# KiCad board CRMHJN_capable_carrier.kicad_pcb (continued)
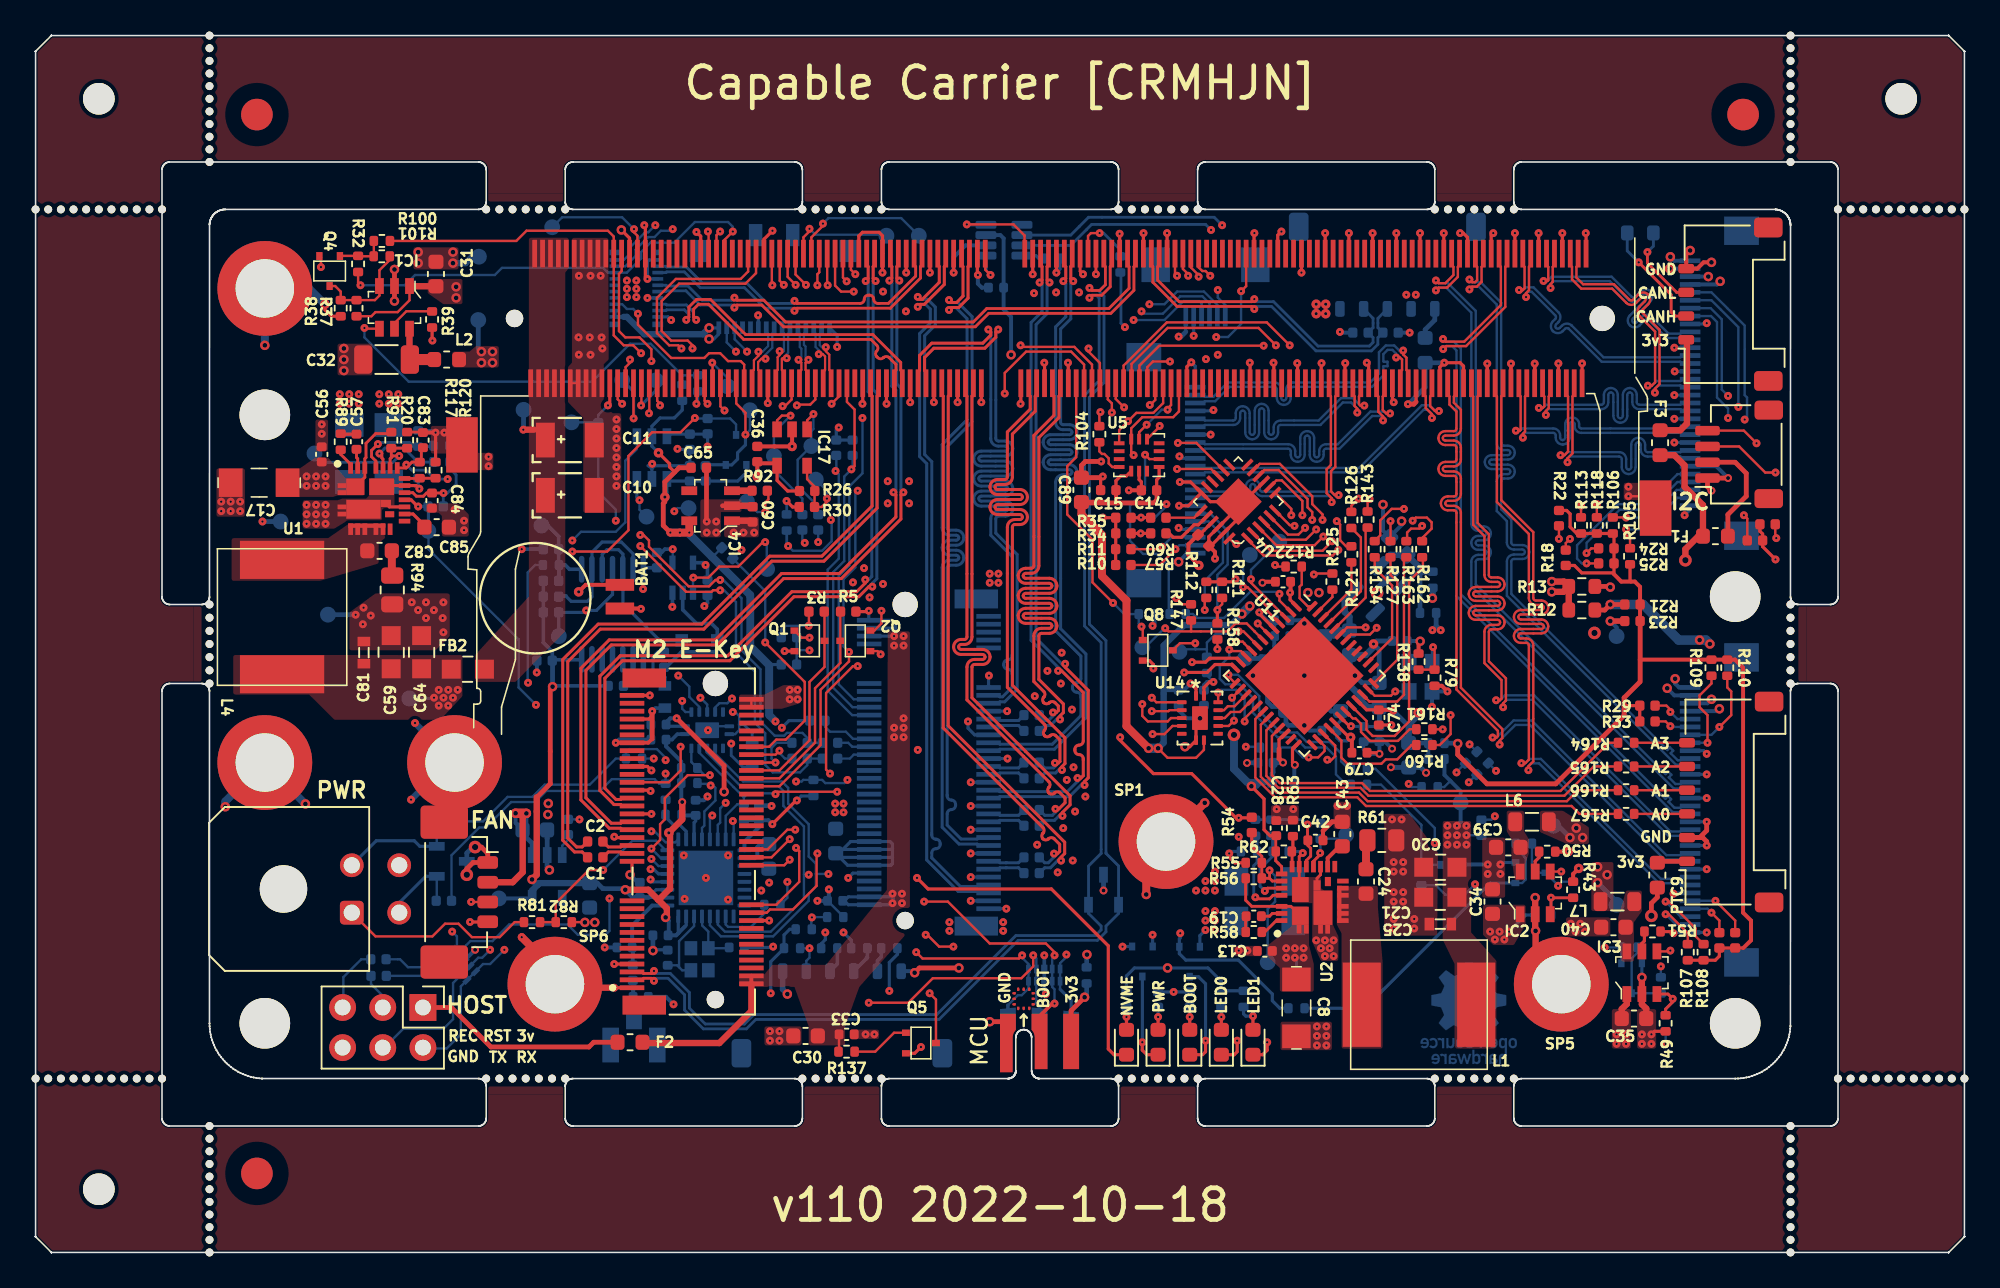
[diagram p0: board, top side]
## Routing (per net, layer and track width the routed paths; a pad name or vN(x,y) marks a point on that pad's centre or on a via; arc(x,y) is an arc through that point) (continued)
  Bottom w0.191: v1(52.51,61.47) 52.66,61.31 52.66,54.47 52.89,54.23 52.89,42.77 52.7,42.57 v1(52.48,42.57)
Board_0-PCIE1_CLKREQ: length 34.9
  Top w0.15: J4.53 40.05,29.75 40.8,30.5 v1(40.8,32) ; M1.182 50.82,54.17 v1(50.35,53.7)
  In2.Cu w0.15: v1(50.35,53.7) 50.25,53.6 50.25,50.95 48.15,48.85 48.15,42.85 44.8,39.5 44.8,37.3 45.15,36.95 45.15,32.6 44.1,31.55 41.25,31.55 v1(40.8,32)
Board_0-PCIE1_RST: length 40
  Top w0.15: J4.52 47.05,29.5 49.65,32.1 49.65,35.6 51.45,37.4 v1(51.45,38) ; M1.183 50.57,61.18 50.95,60.8 v1(51.75,60.8)
  In2.Cu w0.15: v1(52,48.2) 52.4,48.6 52.4,51.95 51.75,52.6 51.75,53.95 52.7,54.9 52.7,59.85 v1(51.75,60.8)
  Bottom w0.15: v1(51.45,38) 51.1,38.35 51.1,42.6 51.85,43.35 51.85,48.05 v1(52,48.2)
Board_0-PCIE1_RX0_N: length 52.8
  Top w0.191: v1(54.89,48.1) 54.73,47.95 54.73,46.41 50.97,42.64 47.32,42.64 43.12,38.44 36.42,38.44 34.81,36.83 34.81,28.77 36.42,27.16 37.01,27.16 37.1,27.25 J4.43 ; v1(54.63,61.49) 54.48,61.65 54.48,62.38 54.57,62.48 M1.167
  Bottom w0.191: v1(54.89,48.1) 54.73,48.25 54.73,54.69 54.48,54.95 54.48,61.34 v1(54.63,61.49)
Board_0-PCIE1_RX0_P: length 53.3
  Top w0.191: v1(54.01,61.49) 54.16,61.65 54.16,62.38 54.07,62.48 M1.169 ; J4.41 37.1,26.75 37.01,26.84 36.28,26.84 34.49,28.63 34.49,36.97 36.28,38.76 42.98,38.76 47.18,42.96 50.83,42.96 54.42,46.54 54.42,47.95 v1(54.26,48.1)
  Bottom w0.191: v1(54.01,61.49) 54.16,61.34 54.16,54.82 54.42,54.56 54.42,48.25 v1(54.26,48.1)
Board_0-PCIE1_TX0_N: length 44.3
  Top w0.191: M1.172 53.32,54.27 53.23,54.18 53.23,47.1 49.87,43.74 46.57,43.74 42.27,39.44 35.72,39.44 33.66,37.38 33.66,26.22 34.22,25.66 34.57,25.66 C2.1
Board_0-PCIE1_TX0_P: length 44.9
  Top w0.191: C1.1 34.57,25.34 34.08,25.34 33.34,26.08 33.34,37.52 35.58,39.76 42.13,39.76 46.43,44.06 49.73,44.06 52.91,47.23 52.91,54.18 52.82,54.27 M1.174
Board_0-PEX_L0_CLKREQ_N: length 23.7
  Top w0.15: v1(51.6,49.55) 51.8,49.75 51.8,53.34 51.32,53.82 M1.180
  Bottom w0.15: R115.1 51.68,49.63 v1(51.6,49.55) 51.15,49.1 51.15,43.75 50.45,43.05 50.45,35.73 51.67,34.5 J8.52
Board_0-PEX_L0_RST_N: length 33.7
  Top w0.15: v1(51.3,61.45) 51.07,61.68 M1.181
  In2.Cu w0.15: v1(51.3,61.45) 51.15,61.3 51.15,60.65 52.35,59.45 52.35,55.05 51.4,54.1 51.4,51.45 50.6,50.65 v1(50.6,49.45)
  Bottom w0.15: J8.50 51.65,34 50.1,35.55 50.1,43.2 50.8,43.9 50.8,49.25 v1(50.6,49.45) 50.65,49.5 50.65,50.43 R116.1
Board_0-PWR_EN: length 25.1
  Top w0.15: M1.237 37.07,62.09 36.9,61.92 36.9,58.3 37.3,57.9 38.2,57.9 38.95,57.15 v1(38.95,56.4)
  In2.Cu w0.15: 40.1,47 40.2,46.9 v1(40.4,46.9) ; 40.1,47 40.3,47.2 40.3,48.2 40.1,48.4 40.1,51.5 40.52,51.92 40.52,54.83 v1(38.95,56.4) ; 40.1,47 39.4,46.3 39.4,45.4 v1(40.3,44.5)
  Bottom w0.15: IC13.4 40.3,43.66 v1(40.3,44.5) ; v1(40.4,46.9) 40.6,47.1 TP27.1
  Bottom w0.23: v1(40.3,44.5) 39.8,44.5 39.59,44.29 R136.2
Board_0-PWR_EN_OE: length 43.1
  Top w0.15: v1(41.6,42.7) 42.55,42.7 43.25,43.4 44.45,43.4 46,44.95 v1(46.15,44.95)
  In2.Cu w0.15: v1(49.1,21.2) 48.9,21.2 47.55,22.55 v1(47.55,23.45) 47.15,23.85 47.15,27.25 46.7,27.7 45.1,27.7 44.95,27.85 43.4,27.85 43.05,28.2 42.25,28.2 41.35,29.1 39.8,29.1 39.15,29.75 38.8,29.75 38.3,30.25 38.3,31.55 39.05,32.3 40.1,32.3 41.4,33.6 41.4,42.5 v1(41.6,42.7)
  Bottom w0.15: R93.1 47.55,22.44 v1(47.55,23.45) ; v1(41.6,42.7) 41.58,42.68 IC13.1 ; 49.07,20.45 49.07,21.17 v1(49.1,21.2) 49.12,21.22 R130.1 ; TP30.1 46.25,43.27 46.25,44.85 v1(46.15,44.95)
Board_0-PWR_GOOD: length 73.6
  Top w0.2: v1(24.2,47.2) 24.17,47.2 23.75,47.62 U1.14
  In2.Cu w0.15: v1(68.75,19.35) 68.55,19.35 66.5,17.3 58.9,17.3 54.1,12.5 44.3,12.5 40.55,16.25 38.5,16.25 37.23,17.53 37.23,20.47 31.6,26.1 31.6,34.6 v1(31.65,34.65)
  Bottom w0.15: TP40.1 24.85,45.65 24.85,44.5 30.55,38.8 30.55,35.75 v1(31.65,34.65)
  Bottom w0.2: v1(68.75,19.35) 68.76,19.36 T4.1 ; TP40.1 24.85,45.66 24.85,47.18 R96.2 24.21,47.21 v1(24.2,47.2)
Board_0-PWR_SET: length 5.7
  Bottom w0.23: R84.1 33.11,42.52 R88.1 ; R88.1 33.09,43.52 C41.2 33.09,45.31 32.4,46 TP32.1 ; R88.1 33.5,43.5 33.77,43.23 IC12.1
Board_0-SLEEP_WAKE: length 4.5
  Top w0.15: v1(36.2,53.6) 36.32,53.72
  Top w0.2: 36.32,53.72 M1.240
  Bottom w0.15: TP31.1 35.58,52.53 R80.2 35.6,53 v1(36.2,53.6)
Board_0-SPI1-CIPO: length 29.3
  Top w0.15: U14.5 71.91,33.31 71.4,32.8 v1(70.65,32.8) ; U5.1 68.54,52.04 69.62,53.12 70.7,53.12 71.32,53.74 M1.108
  In2.Cu w0.15: v1(69.1,52.6) 68.15,51.65 68.15,42 68.7,41.45 68.7,40.85 68.15,40.3 68.15,35.75 70.65,33.25 v1(70.65,32.8)
Board_0-SPI1-COPI: length 25.9
  Top w0.15: v1(69.45,50.45) 69.3,50.6 U5.14 69.3,52.15 70,52.85 71.95,52.85 72.32,53.22 M1.104 ; U14.2 70.89,34.81 v1(70.6,35.1)
  In2.Cu w0.15: v1(69.45,50.45) 69.45,49.15 69.7,48.9 69.7,48.05 68.95,47.3 68.95,42.4 69.45,41.9 69.45,40.45 68.95,39.95 68.95,36.75 v1(70.6,35.1)
Board_0-SPI1-CS0: length 4.3
  Top w0.15: U5.12 71.1,52.26 v1(71.1,52.3) ; v1(70.47,53.62) 70.5,53.62 70.82,53.94 M1.110
  In2.Cu w0.15: v1(70.47,53.62) 70.47,53.52 71.1,52.9 v1(71.1,52.3)
Board_0-SPI1-CS1: length 30.2
  Top w0.15: v1(71.75,56.38) 70.67,56.38 70.32,56.02 M1.112 ; U14.4 71.81,33.81 71.6,33.6 70.35,33.6 70,33.95 v1(70,34.7)
  In2.Cu w0.15: v1(70,34.7) 68.55,36.15 68.55,40.05 69.1,40.6 69.1,41.65 68.55,42.2 68.55,51.25 69.72,52.42 69.72,54.38 71.72,56.38 v1(71.75,56.38)
Board_0-SPI1-SCK: length 26.6
  Top w0.15: U14.3 71.71,34.31 71.65,34.25 v1(70.6,34.25) ; v1(70.28,52.38) 69.8,51.9 U5.13 ; v1(71.6,53.33) 71.6,53.4 71.82,53.62 M1.106
  In2.Cu w0.15: v1(70.28,52.38) 70.7,51.95 70.7,48.4 69.4,47.1 69.4,42.6 69.85,42.15 69.85,40.3 69.4,39.85 69.4,37.05 71.05,35.4 71.05,34.7 v1(70.6,34.25)
  Bottom w0.15: v1(70.28,52.38) 71.22,53.33 v1(71.6,53.33)
Board_0-UART0_CTS: length 53.4
  Top w0.15: M1.105 72.07,61.93 v1(72.2,61.8) ; v1(47.7,26.15) 46.55,25 J4.34
  In2.Cu w0.15: v1(47.7,26.15) 47.5,26.35 47.5,27.15 48.65,28.3 48.65,32.95 49,33.3 49,35.5 49.92,36.42 52.12,36.42 52.65,36.95 55.65,36.95 57.7,39 57.7,46.3 72.2,60.8 v1(72.2,61.8)
Board_0-UART0_RTS: length 53.3
  Top w0.15: v1(72.9,61.8) 72.9,61.9 72.57,62.23 M1.103 ; v1(48.05,26.75) 47.55,26.75 46.3,25.5 J4.36
  In2.Cu w0.15: v1(48.05,26.75) 49,27.7 49,32.75 49.35,33.1 49.35,35.4 49.88,35.92 52.17,35.92 52.85,36.6 55.9,36.6 58,38.7 58,46.1 72.9,61 v1(72.9,61.8)
Board_0-UART0_RXD: length 57.3
  Top w0.15: v1(48.1,25.6) 48.3,25.4 48.3,23.45 46.85,22 J4.22 ; v1(73.56,61.74) 73.56,61.84 73.07,62.33 M1.101
  In2.Cu w0.15: v1(73.56,61.74) 73.56,61.16 58.4,46 58.4,38.6 56.03,36.23 53.03,36.23 52.35,35.55 50.08,35.55 49.7,35.17 49.7,32.9 49.35,32.55 49.35,26.85 v1(48.1,25.6)
Board_0-UART0_TXD: length 55.8
  Top w0.15: M1.99 73.57,62.33 73.79,62.1 74,62.1 v1(74.3,61.8) ; J4.32 47.35,24.5 v1(47.7,24.85)
  In2.Cu w0.15: v1(74.3,61.8) 74.3,61.4 58.8,45.9 58.8,38.5 56.17,35.88 53.12,35.88 52.47,35.23 50.33,35.23 50.05,34.95 50.05,32.75 49.7,32.4 49.7,26.25 48.3,24.85 v1(47.7,24.85)
Board_0-UART1_RXD: length 41.1
  Top w0.15: M1.205 45.07,62.07 44.6,61.6 40.5,61.6 39.3,60.4 39.3,58.17 40.07,57.4 40.65,57.4 v1(40.85,57.2)
  In2.Cu w0.15: v1(44.05,35.05) 44.15,35.15 44.15,40 47.05,42.9 47.05,51.95 45.75,53.25 45.75,54.4 43.85,56.3 43.85,56.52 43.17,57.2 42.3,57.2 41.75,57.75 41.4,57.75 v1(40.85,57.2)
  Bottom w0.15: v1(44.05,35.05) 43.75,34.75 43.25,34.75 42.98,34.48 U8.5
Board_0-UART1_TXD: length 40.4
  Top w0.15: v1(41.55,57.2) 41.55,57.4 41.25,57.7 40.2,57.7 39.6,58.3 39.6,60.2 40.7,61.3 44.9,61.3 45.57,61.97 M1.203
  In2.Cu w0.15: v1(42.05,35.1) 41.8,35.35 41.8,38.3 46.65,43.15 46.65,51.8 45.35,53.1 45.35,54.3 43.5,56.15 43.5,56.35 42.95,56.9 41.85,56.9 v1(41.55,57.2)
  Bottom w0.15: v1(42.05,35.1) 42.48,34.67 U8.4
Board_0-USB0_D_N: length 19.9
  Top w0.178: v1(77.08,60.32) 76.92,60.16 72.33,60.16 70.97,61.52 70.97,62.38 71.07,62.48 M1.109
  Bottom w0.178: J2.2 84.6,59.11 84.6,58.51 D1.1 84.6,57.89 84.6,57.59 84.36,57.35 81.11,57.35 78.3,60.16 77.25,60.16 v1(77.08,60.32)
Board_0-USB0_D_P: length 20.9
  Top w0.178: v1(77.08,59.7) 76.92,59.86 72.2,59.86 70.67,61.39 70.67,62.38 70.57,62.48 M1.111
  Bottom w0.178: J2.3 84.9,59.11 84.9,58.51 D5.1 84.9,57.89 84.9,57.46 84.49,57.05 80.99,57.05 78.18,59.86 77.25,59.86 v1(77.08,59.7)
Board_0-USB1_D_N: length 34.5
  Top w0.178: v1(44.2,59.79) 44.36,59.95 45.94,59.95 47.31,58.57 59.44,58.57 60.29,59.42 68.01,59.42 69.47,60.88 69.47,62.38 69.57,62.48 M1.115
  Bottom w0.178: J13.12 39.87,60.8 39.92,60.85 41.14,60.85 42.04,59.95 44.04,59.95 v1(44.2,59.79)
Board_0-USB1_D_P: length 34
  Top w0.178: M1.117 69.07,62.48 69.17,62.38 69.17,61.01 67.89,59.73 60.16,59.73 59.31,58.88 47.44,58.88 46.06,60.25 44.36,60.25 v1(44.2,60.41)
  Bottom w0.178: J13.10 39.87,61.2 39.92,61.15 41.26,61.15 42.16,60.25 44.04,60.25 v1(44.2,60.41)
Board_0-USB2_D_N: length 80.2
  Top w0.178: M1.121 68.07,62.48 67.97,62.38 67.97,61.11 67.43,60.57 66.82,60.57 v1(66.66,60.41) ; v1(39.11,17.81) 38.95,17.65 38.45,17.65 38.35,17.75 J4.5
  Bottom w0.178: v1(66.66,60.41) 66.82,60.57 67.09,60.57 67.27,60.39 67.27,55.16 66.35,54.24 66.35,39.64 67.4,38.59 67.4,25.25 66.6,24.45 D4.2 66.6,21.45 67.4,20.65 67.4,20.41 67.04,20.05 62,20.05 57,15.05 56.55,15.05 ; 45.44,15.05 44.84,14.45 42.36,14.45 41.35,15.46 41.35,16.45 40.15,17.65 39.27,17.65 v1(39.11,17.81)
  Bottom w0.18: 45.44,15.05 56.55,15.05
Board_0-USB2_D_P: length 80.7
  Top w0.178: v1(66.66,61.03) 66.82,60.87 67.31,60.87 67.67,61.23 67.67,62.38 67.57,62.48 M1.123 ; v1(39.11,17.19) 38.95,17.35 38.45,17.35 38.35,17.25 J4.3
  Bottom w0.178: v1(39.11,17.19) 39.27,17.35 40,17.35 41.05,16.3 41.05,15.34 42.24,14.15 44.96,14.15 45.56,14.75 57.15,14.75 62.15,19.75 67.16,19.75 67.7,20.29 67.7,20.65 68.5,21.45 D4.1 68.5,24.45 67.7,25.25 67.7,38.71 66.65,39.76 66.65,54.11 67.58,55.04 67.58,60.51 67.22,60.87 66.82,60.87 v1(66.66,61.03)
Board_0-USB_VBUS: length 2.1
  Bottom w0.3: v2(28.2,57) 28,57.2 TP34.1
  vias: v1(37.4,61.5) v1(37.4,60.98) v1(37.4,60.45) v1(38,61.5) v1(38,60.98) v1(38,60.45) v2(28.2,56.3) v2(28.9,57) v2(28.9,56.3) v4(81,60) v4(81,59.4) v4(81.6,60) v4(81.6,59.4)
Board_0-USBSS_RX_N: length 20.1
  Top w0.178: v1(48,59.59) 48.16,59.75 54.06,59.75 55.97,61.66 55.97,62.38 56.07,62.48 M1.161
  Bottom w0.178: v1(48,59.59) 47.84,59.75 46.14,59.75 44.84,61.05 42.04,61.05 41.04,62.05 39.92,62.05 39.87,62 J13.6
Board_0-USBSS_RX_P: length 20.2
  Top w0.178: M1.163 55.57,62.48 55.67,62.38 55.67,61.78 53.94,60.05 53.27,60.05 arc(53.09,60.13) 53.01,60.31 arc(52.94,60.5) 52.75,60.57 52.67,60.57 arc(52.49,60.5) 52.41,60.31 arc(52.34,60.13) 52.15,60.05 48.16,60.05 v1(48,60.21)
  Bottom w0.178: v1(48,60.21) 47.84,60.05 46.26,60.05 44.96,61.35 42.16,61.35 41.16,62.35 39.92,62.35 39.87,62.4 J13.4
Board_0-USBSS_TX_N: length 20
  Top w0.178: M1.166 54.82,55.73 54.72,55.82 54.72,56.32 52.96,58.08 44.91,58.08 42.69,60.3 41.8,60.3 41.32,59.82 41.32,59.17 v1(41.16,59.01)
  Bottom w0.178: J13.18 39.87,59.6 39.92,59.65 41.04,59.65 41.32,59.37 41.32,59.17 v1(41.16,59.01)
Board_0-USBSS_TX_P: length 20.1
  Top w0.178: v1(41.78,59.01) 41.62,59.17 41.62,59.69 41.93,60 42.56,60 44.79,57.77 52.84,57.77 53.2,57.4 arc(53.28,57.22) 53.2,57.04 arc(53.13,56.86) 53.2,56.68 53.27,56.62 arc(53.45,56.55) 53.63,56.62 arc(53.81,56.69) 53.99,56.62 54.42,56.19 54.42,55.82 54.32,55.73 M1.168
  Bottom w0.178: J13.16 39.87,60 39.92,59.95 41.16,59.95 41.62,59.49 41.62,59.17 v1(41.78,59.01)
Board_0-VBUS_FLAG: length 2.1
  Top w0.15: M1.218 41.82,53.72
  Bottom w0.15: R134.2 41.9,53.8 v1(41.8,53.7)
Board_0-VDD_MOD: length 1.9
  Top w0.4: v1(30.85,52.06) 31.52,52.06
  Bottom w0.3: TP38.1 30.87,52.08 v1(30.85,52.06)
Board_0-VIN: length 13.7
  Top w0.15: J9.1 21.5,20 25.1,20 25.9,20.8 26.75,20.8 27.6,19.95 29.35,19.95 30.3,20.9 R81.1
  Bottom w0.3: TP16.1 14.35,46.25 v1(14.35,46.25)
  vias: v1(21.74,54.31) v1(21.74,53.71) v1(22.34,54.31) v1(22.34,53.71) v1(22.94,54.31) v1(22.94,53.71) v1(73.4,22.9) v1(73.99,23.5) v1(73.99,22.9) v1(74.59,24.1) v1(74.59,23.5) v1(74.59,22.9)
Board_0-W_DISABLE1_CTRL: length 30.4
  Top w0.15: M1.128 66.32,56.18 65.5,57 62.65,57 61.3,55.65 v1(61.3,54.35) ; v1(48.95,38.9) 48.45,38.9 Q1.1
  In2.Cu w0.15: v1(61.3,54.35) 61.3,54 60.4,53.1 60.4,51.55 55.46,46.61 54.89,46.61 49.55,41.26 49.55,39.5 v1(48.95,38.9)
Board_0-W_DISABLE2_CTRL: length 31.4
  Top w0.15: M1.126 66.82,56.18 65.7,57.3 62.4,57.3 v1(62.3,57.4) ; v1(53.45,37.85) 53.25,38.05 Q2.1
  In2.Cu w0.15: v1(62.3,57.4) 62.3,54.55 60.7,52.95 60.7,51.3 56.4,47 56.4,38.9 55.15,37.65 53.75,37.65 53.55,37.85 v1(53.45,37.85)

## Copper pours and planes (outline as drawn; the poured copper is in the pictures)
Board_0-/CSI/3V3_CAM_OUT on Top: 101.1,18.4 101.1,20.9 101.6,21.6 101.6,22.9 100.6,22.9 100.1,21.2 100.1,20 100.3,18.4
Board_0-/CSI/5V0_CAM_OUT on Top: 94.15,27.95 94.15,26.65 94.45,26.15 94.45,25.25 94.25,24.65 94.25,23.55 93.55,23.55 93.35,25.05 93.35,26.15 93.05,26.65 93.05,27.95
Board_0-/Supply/3V_SW on Top: 84.9,21.85 85.2,18.4 85.2,12.9 82.6,12.9 82.6,20.2 82.3,20.75 82.3,23.2 84.9,23.2
Board_0-/Supply/3V_VIN on Top: 80.55,19.45 80.85,18.25 80.85,16.5 78.7,16.5 78.7,18 77.9,18.75 77.9,19.4 79.45,20.65 79.45,21.9 80.55,21.9
Board_0-/Supply/3V_VIN on Bottom: 80.4,20 80.55,19.8 80.55,18.35 78.75,18.35 78.75,24.45 80.4,24.45
Board_0-/Supply/5V_SW on Top: 22.1,45.2 21.7,44.9 21.7,43.6 18,42.5 12.4,42.5 12.4,45.2 18.5,45.2 19.8,46.1 22.1,46.1
Board_0-/Supply/5V_VIN on Top: 19.6,49 20.8,49 20.8,47.9 19.1,47.9 18.8,47.81 15.19,47.81 15.19,49.61 16.7,49.6 17.7,50.3 18.5,50.3
Board_0-/Supply/5V_VIN on Bottom: 23.24,48.01 16.84,48.01 16.84,49.26 17.24,49.51 23.24,49.51
(no net) on Top: 0,75.99 0,1.01 0,0.99 1.01,0 120.99,0 121.01,0 122,1.01 122,75.99 122,76.01 120.99,77 1.01,77 0.99,77 ; 1 cut-out
(no net) on Top: 0,75.99 0,1.01 0,0.99 1.01,0 120.99,0 121.01,0 122,1.01 122,75.99 122,76.01 120.99,77 1.01,77 0.99,77 ; 1 cut-out
(no net) on Bottom: 0,75.99 0,1.01 0,0.99 1.01,0 120.99,0 121.01,0 122,1.01 122,75.99 122,76.01 120.99,77 1.01,77 0.99,77 ; 1 cut-out
(no net) on Bottom: 0,75.99 0,1.01 0,0.99 1.01,0 120.99,0 121.01,0 122,1.01 122,75.99 122,76.01 120.99,77 1.01,77 0.99,77 ; 1 cut-out
Board_0-1V8_SYS on Bottom: 47.6,33.3 47.6,33 47.4,32.8 47.1,32.8 46.4,33.4 46.4,33.7 46.6,33.9 47,33.9
Board_0-3V3_CAM on Top: 99.8,21.6 99.8,24.7 98.4,24.7 98.4,21.6
Board_0-3V3_CAM on In3.Cu: 110.5,31.75 99.8,23 98.3,23 98.1,23.2 98.1,24.2 104.6,33.2 104.6,61.2 105.6,62.2 108.6,62.2 110.5,60.25
Board_0-3V3_SYS on Top: 52.1,16.8 51.2,14.3 51.2,13.1 48.9,13.1 48.9,14.3 48,16.8 48,16.9 52.1,16.9
Board_0-3V3_SYS on Top: 48.5,34.8 47.2,34.4 44.5,34.4 44.5,35.3 46.1,35.3 47.3,35.9 48.5,35.9
Board_0-3V3_SYS on Top: 90.8,20.25 92.4,18.45 92.4,13.05 92.25,12.9 89.85,12.9 89.75,13.05 89.75,18.25 89,19.8 89,27.3 90.8,27.3
Board_0-3V3_SYS on Top: 55.3,38.98 55.3,21.81 53.84,21.81 53.9,39.3 55.3,39.3
Board_0-3V3_SYS on Top: 100.9,12.9 100.9,15.4 99.7,15.4 99.7,12.9
Board_0-3V3_SYS on Top: 55.2,20.3 52.1,16.8 44.5,16.8 44.5,17.6 46.1,17.6 46.6,18.2 50,18.2 53.9,23 55.2,23
Board_0-3V3_SYS on Bottom: 55.3,39.3 55.3,21.81 53.84,21.81 53.9,40.18 54.4,40.18
Board_0-3V3_SYS on Bottom: 43.3,57.8 43,57.4 42.3,57.4 42.1,57.7 42.1,58.5 42.5,58.9 43.3,58.9
Board_0-3V3_SYS on In3.Cu: 105.5,12.9 104.5,11.9 95.3,11.9 93.9,13.2 93.9,20.8 89,25.6 82.4,32.2 49.5,32.2 47,35.25 47,46.5 42.25,53.15 42.3,57.4 42.1,57.7 42.1,58.5 42.5,58.9 43,58.9 43.25,58.65 44.4,57.3 75.75,57.4 77.25,55.9 77.25,40.4 78,39.65 100,39.65 100.7,39 100.7,35.1 96.25,27.65 96.25,25.9 98,22.65 103.25,22.65 105.5,20.4
Board_0-5V0_CAM on Top: 96.85,25.85 98.25,25.85 98.25,26.9 96.6,27.95 95.15,27.95 95.15,26.6
Board_0-5V0_CAM on In3.Cu: 104.1,63.2 104.1,33.5 98.25,25.85 96.85,25.85 96.6,26.1 96.6,27.4 101,35 101,39.25 100.75,39.75 100.75,61.25 103.1,63.7 103.6,63.7
Board_0-5V0_SYS on Top: 24.2,37.8 27,37.8 27,35.2 25.6,33.71 18.9,33.71 17.3,35.3 12.5,35.3 12.5,37.81 20.04,37.81
Board_0-5V0_SYS on Top: 43.55,45.25 43.55,46.55 45.75,46.55 45.75,45.25
Board_0-5V0_SYS on Top: 93.5,19.45 94.25,20.75 94.25,22 91.55,22 91.55,20.1 92.2,19.45
Board_0-5V0_SYS on Top: 24.8,60.7 25.8,60 27,60 27,61.6 24.8,61.6
Board_0-5V0_SYS on In3.Cu: 25,42.5 25,63 35.5,63 36.25,62.27 36.25,58.76 37,58 40.45,58 42,56.45 42,53 46,46.5 46,33.7 47.7,31.9 82.2,31.8 93.5,20.5 93.5,17.1 93,16.6 76.6,16.6 76.2,17 76.2,24.6 75.2,25.5 31.5,25.5 30,27 30,32 28,34 24.5,34 24,34.67 24,41.5
Board_0-GND on Top: 13.24,49.61 11.44,49.61 11.44,46.56 13.24,46.56
Board_0-GND on Top: 22.7,46.3 19.7,46.3 18.9,45.8 16.9,45.8 16.9,47.6 19.1,47.6 19.39,47.7 20.9,47.7 21.1,47.9 21.1,49 22.7,49
Board_0-GND on Top: 26.2,39 25.3,38.1 19.85,38.1 19.85,40.5 21.5,41.7 26.2,41.7
Board_0-GND on Top: 43.35,46.85 43.35,45.25 42.05,45.25 42.05,47.65 44.65,47.65 44.65,46.85
Board_0-GND on Top: 36.23,64.2 33.92,64.2 33.92,56.3 33.67,56.02 33.67,53.81 34.64,52.8 34.64,46.81 37.04,46.81 37.04,53.1 36.5,53.1 35.94,53.9 35.94,56.21 36.25,56.51
Board_0-GND on Top: 100.45,47.6 102.2,47.6 102.2,48.7 100.45,48.7
Board_0-GND on Top: 92.95,22.45 92.95,26.25 91.5,26.25 91.5,22.45
Board_0-GND on Top: 99.6,21.2 96.8,21.2 96.8,20 99.6,20
Board_0-GND on Top: 81.3,23.75 81.3,23.05 81.5,22.9 82.05,22.9 82.05,20.75 82.4,20 82.4,18.45 81.3,18.45 80.75,19.65 80.75,22.1 79.45,22.1 79.45,23.75
Board_0-GND on Top: 102.5,12.9 102.5,15.4 101.3,15.4 101.3,12.9
Board_0-GND on Top: 28.95,50.6 27.2,50.6 27.2,49.5 28.95,49.5
Board_0-GND on Top: 82.1,28.55 82.1,26.8 83.2,26.8 83.2,28.55
Board_0-GND on Top: 24.7,46.8 25.5,46.8 25.7,46.6 25.7,45.3 27.4,45.3 27.4,46.7 26.7,47.4 24.7,47.4
Board_0-GND on Top: 88.65,20.05 88.7,25.3 86.9,27.75 85.3,27.75 85.3,20.05
Board_0-GND on Top: 25,50.55 26.1,50.55 26.1,52.3 25,52.3
Board_0-GND on Top: 79.9,27.05 79.9,28.3 78.15,28.3 78.15,27.05
Board_0-GND on Top: 19.1,55.5 21.3,55.5 21.3,57.5 19.1,57.5
Board_0-GND on Top: 17.7,50.7 18.5,50.7 18.5,52.7 17.7,52.7
Board_0-GND on Top: 78.74,14.6 78.74,12.8 81.99,12.8 81.99,14.6
Board_0-GND on Top: 75.8,18.75 77.55,18.75 77.55,19.4 75.8,19.4
Board_0-GND on Top: 23.9,62.2 26.75,62.2 26.75,63.6 23.9,63.6
Board_0-GND on Top: 53.35,14.1 51.5,14.1 51.5,13.5 53.35,13.5
Board_0-GND on Top: 48.45,13.1 48.45,14.3 46.1,14.3 46.1,13.1
Board_0-GND on Bottom: 20.74,51.61 18.94,51.61 18.94,54.66 20.74,54.66
Board_0-GND on Bottom: 51.38,26.33 50.1,26.33 50.1,28.67 51.38,28.67
Board_0-GND on Bottom: 61.5,21.2 61.5,20.08 59.6,20.08 59.6,21.2
Board_0-GND on Bottom: 76.69,21.9 76.69,20.1 73.64,20.1 73.64,21.9
Board_0-GND on Bottom: 32.9,28.7 32.9,26.2 31.8,26.2 31.8,28.7
Board_0-GND on Bottom: 86.4,59.1 86.4,60.9 87.6,60.9 87.6,59.1
Board_0-GND on Bottom: 34.42,20.58 34.42,22.33 35.72,22.33 35.72,20.58
Board_0-GND on Bottom: 61.2,43.25 61.2,39.05 59.45,39.05 59.45,40.8 59.85,41.98 59.85,43.25
Board_0-GND on Bottom: 45.6,23.3 45.8,23.6 45.8,24.75 46.94,24.75 46.94,22.6 45.6,22.6
Board_0-GND on Bottom: 59.45,21.2 59.45,20.08 57.5,20.08 57.5,21.2
Board_0-GND on In1.Cu: 111,11 11,11 11,66 111,66
Board_0-GND on In4.Cu: 111,11 11,11 11,66 111,66
Board_0-USB_VBUS on Top: 26.35,56 29.3,56 29.3,57.35 27.85,57.35 27.45,57 26.35,57
Board_0-USB_VBUS on Bottom: 80.7,60.3 82.9,60.3 82.9,59.1 80.7,59.1
Board_0-USB_VBUS on Bottom: 38.3,61.65 38.3,60.3 38.2,60.2 36.25,60.2 31.75,55.75 27.85,55.75 27.85,57.5 28.95,57.5 31,58.25 34,61.4 36.25,61.75 38.2,61.75
Board_0-USB_VBUS on In3.Cu: 38.8,64 81.3,64 83.25,62.5 83.25,59.25 81.3,57.6 44.8,57.6 43.1,59.3 42.5,59.3 41.4,58.25 37.25,58.25 37,58.5 37,62.25
Board_0-VDD_MOD on Top: 33.5,39.3 30.35,36.1 27.8,36.1 27.8,37.8 31.2,41.5 31.2,64.21 33.74,64.21 33.74,62.31 33.5,62
Board_0-VIN on Bottom: 23.24,51.61 21.44,51.61 21.44,54.66 23.24,54.66
Board_0-VIN on Bottom: 76.69,24.4 76.69,22.6 73.1,22.6 73.1,23.2 74.3,24.4
Board_0-VIN on In3.Cu: 75.6,24.4 75.6,16.6 71,12 18.5,12 17.5,13.5 17.5,22.5 20,25 75,25
Board_0-VIN on In3.Cu: 24.5,54.5 24.5,43 23.6,42 23.5,29.5 24.5,28.5 24.5,16 17.5,16 16,17.5 13,17.5 12,18.5 12,42 18.1,55 24,55

Small or netless copper shapes (teardrops, artwork), in the pictures only: 1 on In3.Cu

## Text on the board
B.Silkscreen: Capable Jetson Carrier / [CRMHJN] v1.1.0 | EXT0 | VIN | EXT1 | GND | RX | EN | TX | USBSS | MCU / GPIO | GigE | M2 M-Key | I2S | USB0 | CSI0/1 | CSI2/3 | CSI4
F.Silkscreen: REC | GND | RST | TX | 3v | RX | 3v3 | CANH | CANL | A3 | A2 | A1 | A0 | BOOT | NVME | PWR | LED0 | LED1 | MCU | HOST | FAN | M2 E-Key | I2C | Capable Carrier [CRMHJN] | v110 2022-10-18
